# KiCad board 8x8.kicad_pcb
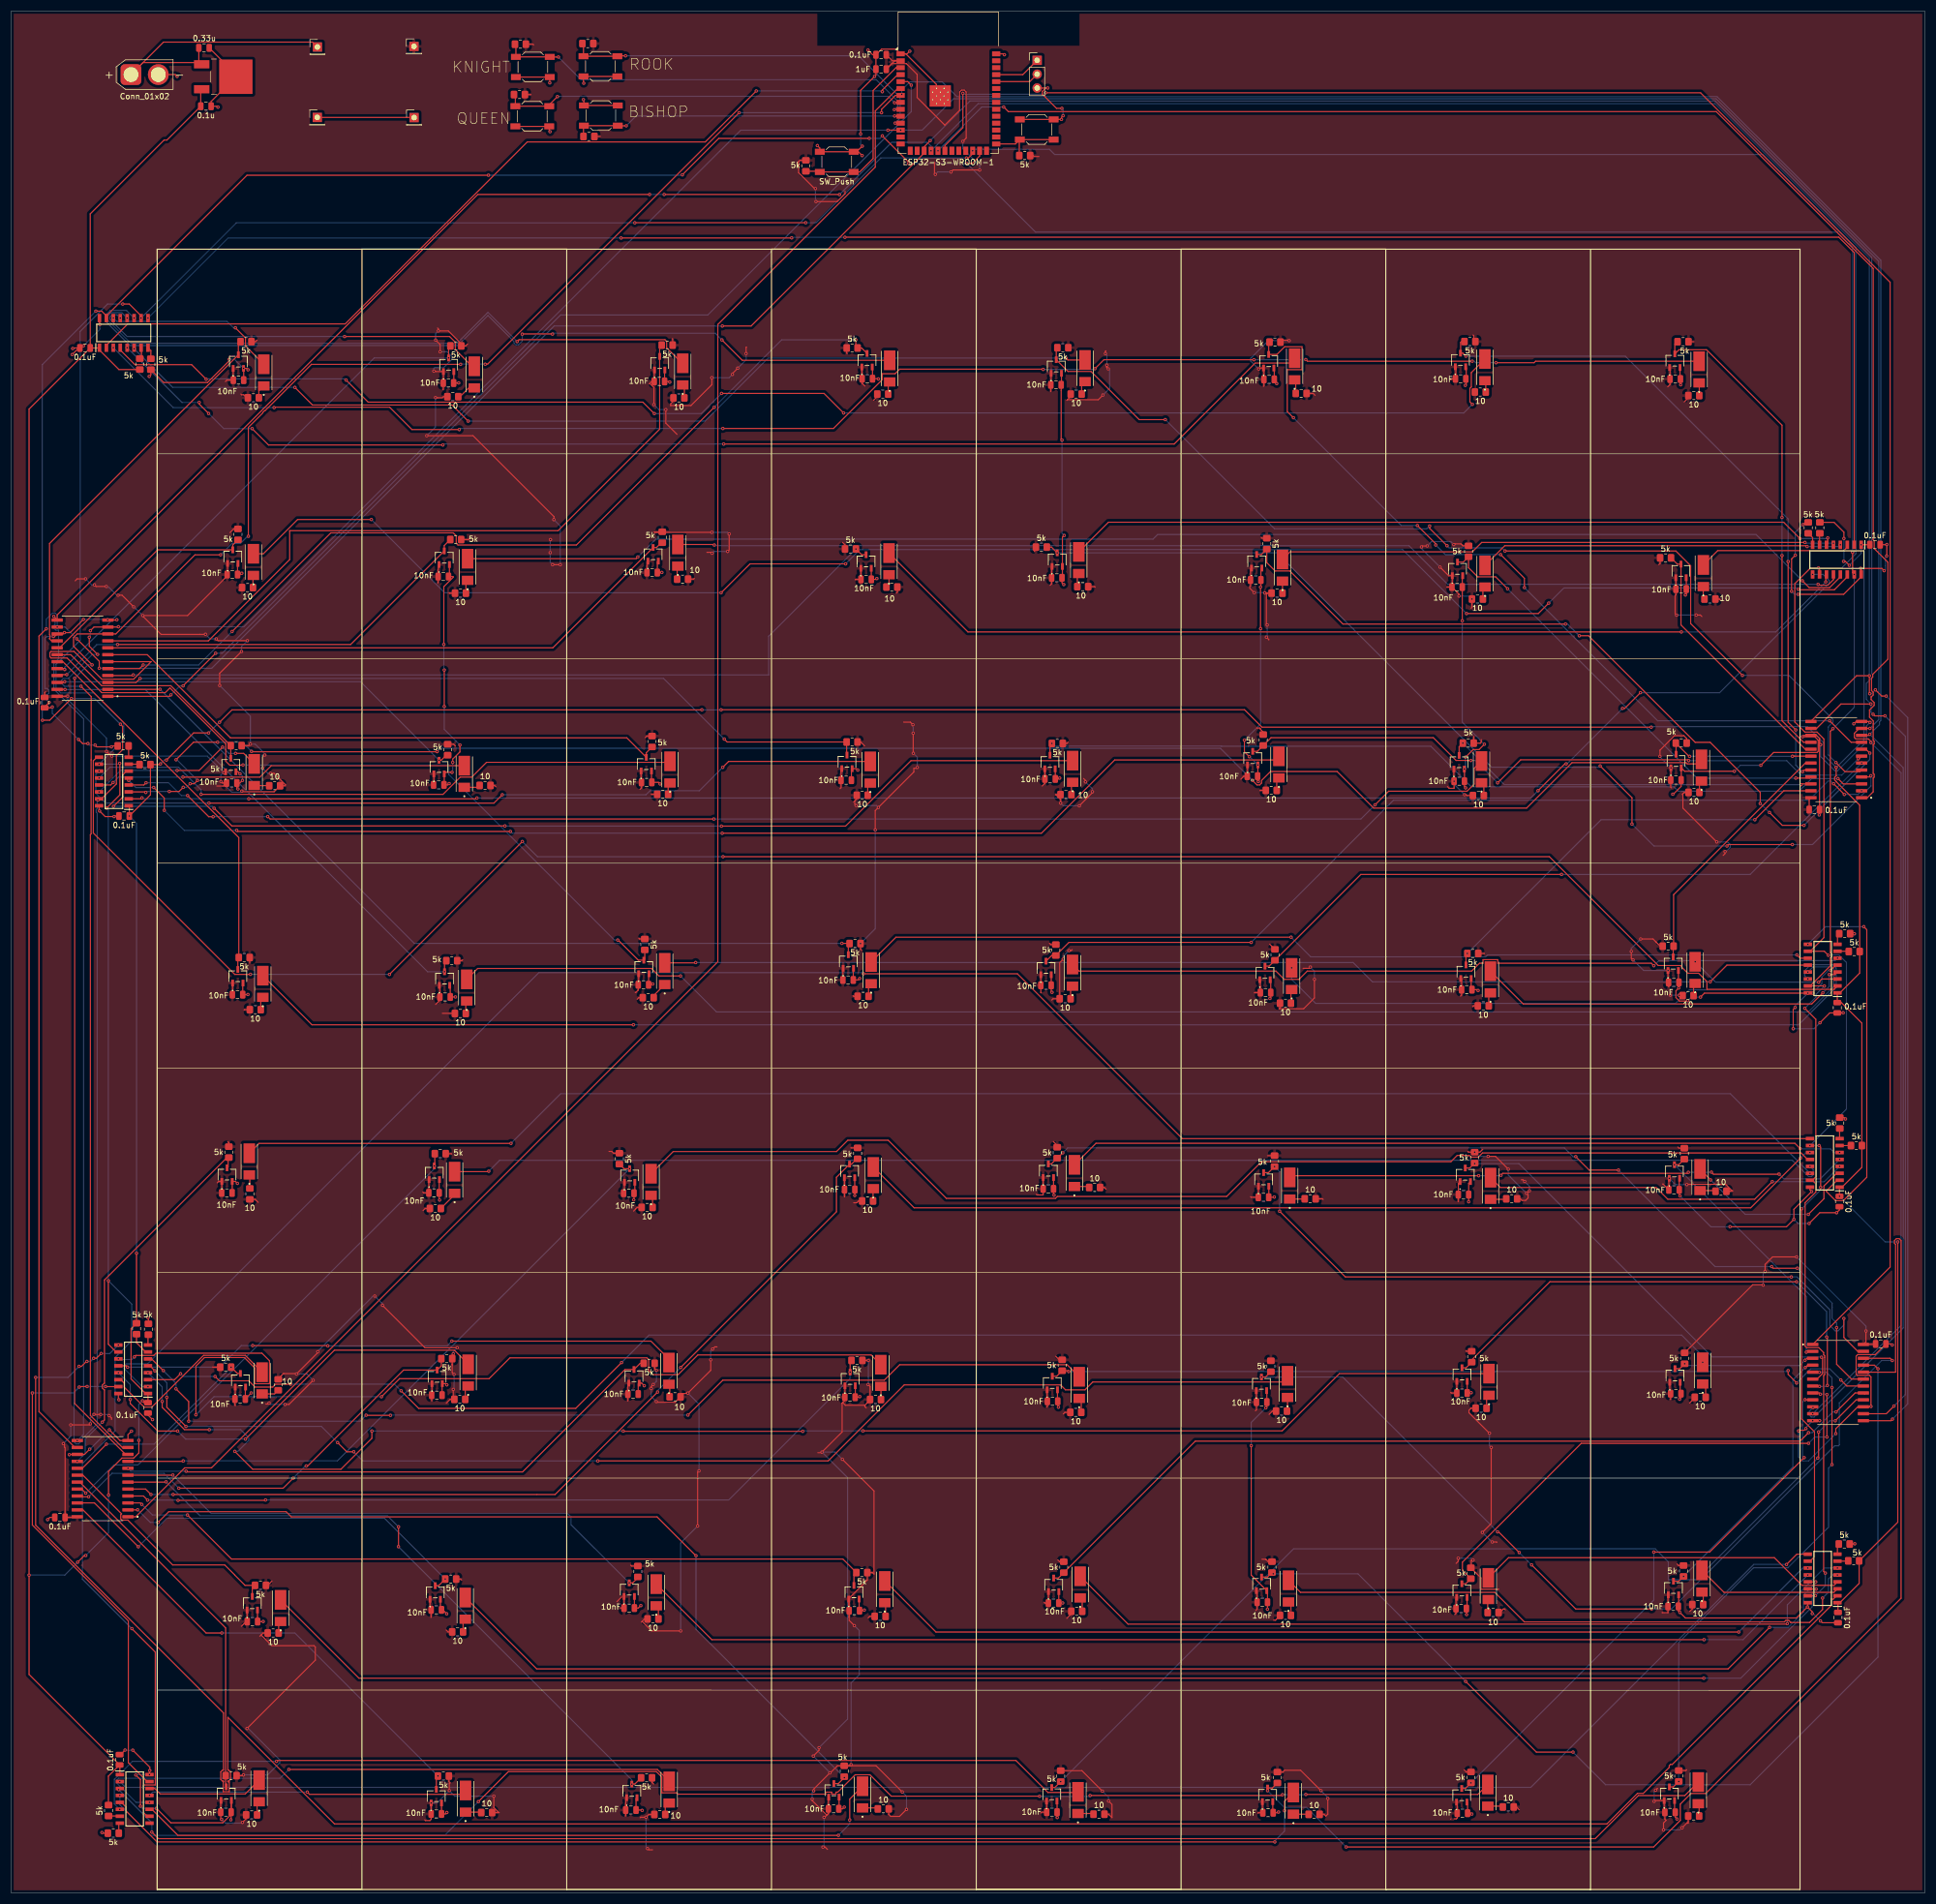
[diagram p0: board, top side]
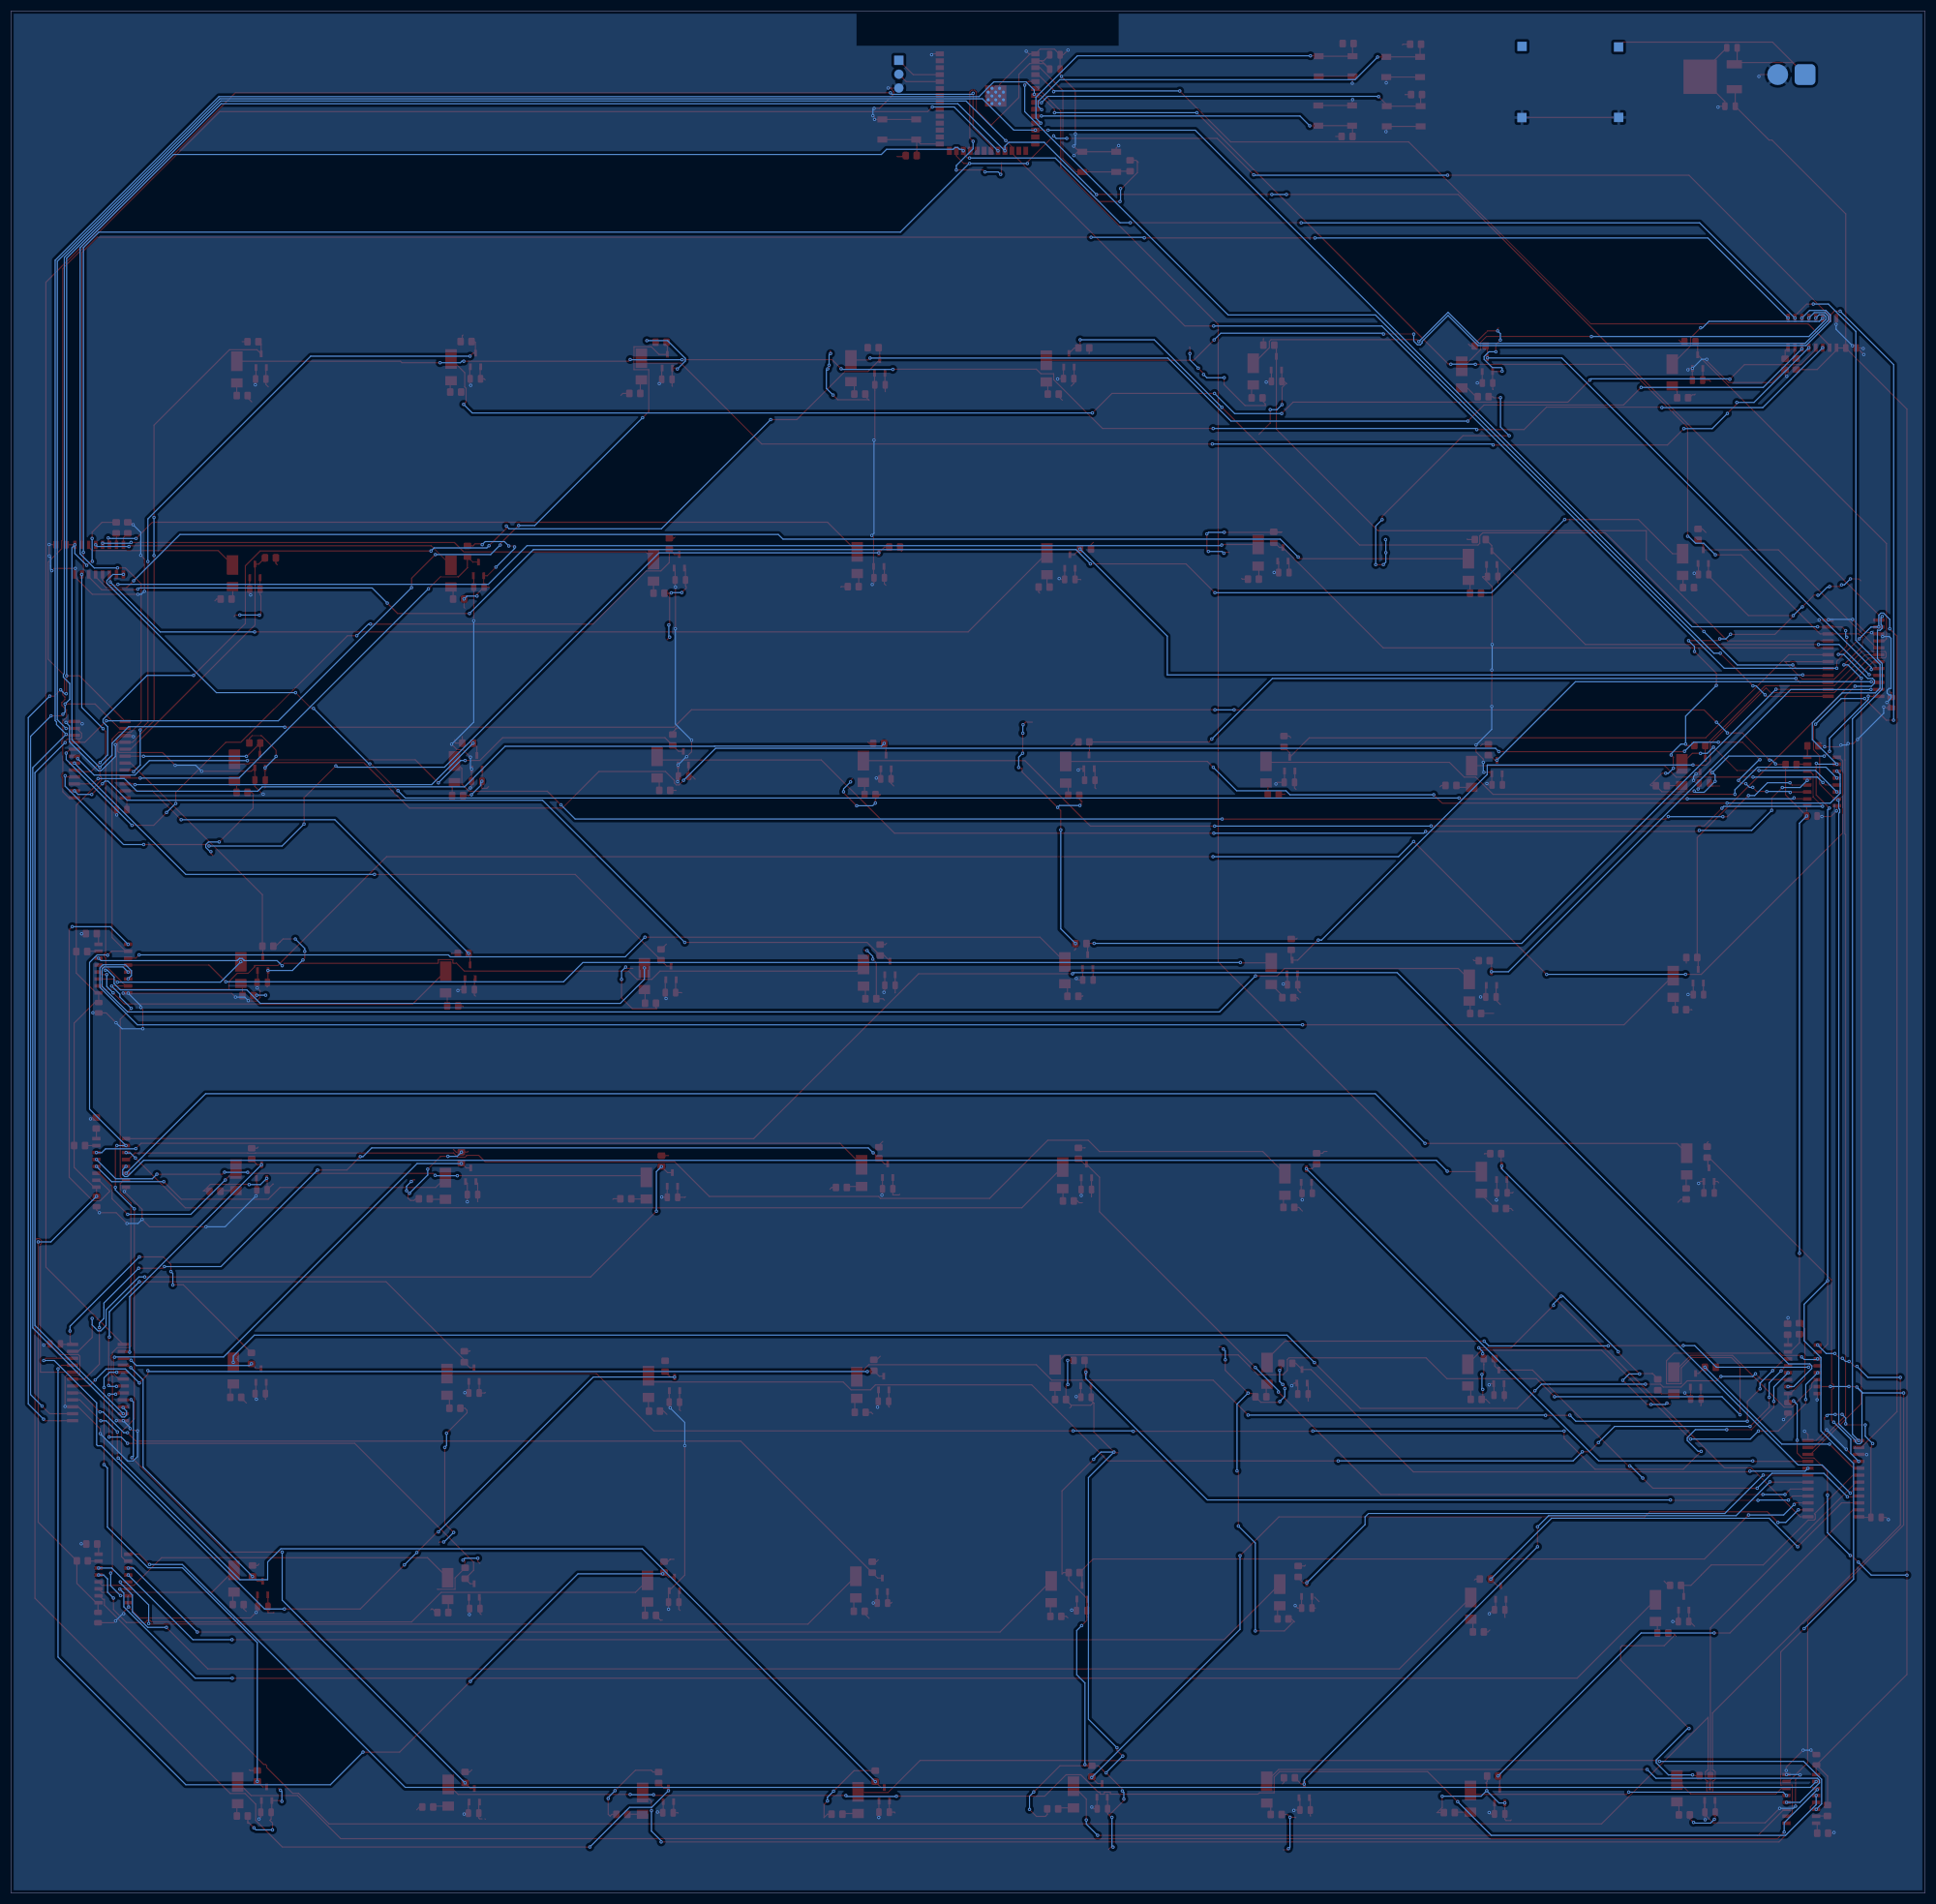
[diagram p1: board, bottom side, seen from below]

Outline 350.52 x 344.82 mm; copper layers: Top, Bottom. Coordinates in mm from the lower left corner of the outline.
Outline path: rectangle 0,344.82 350.52,0

## Placement (name value [footprint] x y rotation side)
C1  0.1uF  [C_0805_2012Metric]  334.45 162.2 90 top
C2  0.1uF  [C_0805_2012Metric]  20.73 197.33 0 top
C3  0.1uF  [C_0805_2012Metric]  13.58 283.08 0 top
C4  0.1uF  [C_0805_2012Metric]  341.36 247.04 180 top
C5  0.1uF  [C_0805_2012Metric]  19.9 24.43 270 top
C6  0.1uF  [C_0805_2012Metric]  334.57 50.48 90 top
C7  0.1uF  [C_0805_2012Metric]  25.1 88.9 90 top
C8  10nF  [C_0805_2012Metric]  266 127.97 180 top
C9  10nF  [C_0805_2012Metric]  190.93 53.13 180 top
C10  10nF  [C_0805_2012Metric]  190.62 14.82 180 top
C11  10nF  [C_0805_2012Metric]  189.98 129.02 180 top
C12  10nF  [C_0805_2012Metric]  190.74 90.1 180 top
C13  10nF  [C_0805_2012Metric]  229.04 89.95 180 top
C14  10nF  [C_0805_2012Metric]  230.2 14.72 180 top
C15  10nF  [C_0805_2012Metric]  229.16 53.3 180 top
C16  0.1uF  [C_0805_2012Metric]  334.85 126.71 90 top
C17  10nF  [C_0805_2012Metric]  265.8 14.64 180 top
C18  10nF  [C_0805_2012Metric]  304.88 91.5 180 top
C19  10nF  [C_0805_2012Metric]  265.73 91.62 180 top
C20  10nF  [C_0805_2012Metric]  265.57 52.12 180 top
C21  10nF  [C_0805_2012Metric]  304.55 128.84 180 top
C22  10nF  [C_0805_2012Metric]  303.83 14.8 180 top
C23  10nF  [C_0805_2012Metric]  304.4 52.52 180 top
C24  10nF  [C_0805_2012Metric]  39.38 14.82 180 top
C25  0.1uF  [C_0805_2012Metric]  6.17 218.1 90 top
C26  10nF  [C_0805_2012Metric]  153.65 90.84 180 top
C27  10nF  [C_0805_2012Metric]  113.22 52.22 180 top
C28  10nF  [C_0805_2012Metric]  153.3 167.29 180 top
C29  10nF  [C_0805_2012Metric]  152.96 203.89 180 top
C30  10nF  [C_0805_2012Metric]  118.75 276.95 180 top
C31  10nF  [C_0805_2012Metric]  113.53 15.22 180 top
C32  10nF  [C_0805_2012Metric]  40.43 203.38 180 top
C33  10nF  [C_0805_2012Metric]  41.5 164.6 180 top
C34  0.1uF  [C_0805_2012Metric]  330.25 198.5 180 top
C35  10nF  [C_0805_2012Metric]  156.61 240.68 180 top
C36  10nF  [C_0805_2012Metric]  150.65 15.45 180 top
C37  10nF  [C_0805_2012Metric]  153.6 128.9 180 top
C38  10nF  [C_0805_2012Metric]  191.38 276.33 180 top
C39  10nF  [C_0805_2012Metric]  230.4 277.33 180 top
C40  10nF  [C_0805_2012Metric]  264.83 239.28 180 top
C41  10nF  [C_0805_2012Metric]  266.6 165.52 180 top
C42  10nF  [C_0805_2012Metric]  156.83 277.45 180 top
C43  10nF  [C_0805_2012Metric]  78 91.23 180 top
C44  10nF  [C_0805_2012Metric]  189.55 166.31 180 top
C45  10nF  [C_0805_2012Metric]  113.15 128.22 180 top
C46  10nF  [C_0805_2012Metric]  305.85 238.9 180 top
C47  10nF  [C_0805_2012Metric]  190.3 204.12 180 top
C48  10nF  [C_0805_2012Metric]  304.77 277.39 180 top
C49  0.1uF  [C_0805_2012Metric]  159.35 336.8 0 top
C50  10nF  [C_0805_2012Metric]  304.5 166.84 180 top
C51  10nF  [C_0805_2012Metric]  227.35 204.62 180 top
C52  0.33u  [C_0805_2012Metric]  35.36 338.06 0 top
C53  10nF  [C_0805_2012Metric]  77.47 128.29 180 top
C54  10nF  [C_0805_2012Metric]  41.97 90.52 180 top
C55  10nF  [C_0805_2012Metric]  229.37 127.47 180 top
C56  10nF  [C_0805_2012Metric]  191.53 240.97 180 top
C57  10nF  [C_0805_2012Metric]  77.9 51.9 180 top
C58  10nF  [C_0805_2012Metric]  304.9 203.92 180 top
C59  10nF  [C_0805_2012Metric]  44.22 49.75 180 top
C60  10nF  [C_0805_2012Metric]  227.95 240.57 180 top
C61  0.1u  [C_0805_2012Metric]  35.71 327.36 0 top
C62  0.1uF  [C_0805_2012Metric]  8.97 68.82 0 top
C63  10nF  [C_0805_2012Metric]  40.55 241.57 180 top
C64  10nF  [C_0805_2012Metric]  79.18 241.2 180 top
C65  10nF  [C_0805_2012Metric]  80.12 276.65 180 top
C66  10nF  [C_0805_2012Metric]  116.42 203.49 180 top
C67  10nF  [C_0805_2012Metric]  78.35 203.03 180 top
C68  10nF  [C_0805_2012Metric]  154.45 51.74 180 top
C69  10nF  [C_0805_2012Metric]  77.9 14.5 180 top
C70  10nF  [C_0805_2012Metric]  39.55 128.28 180 top
C71  10nF  [C_0805_2012Metric]  117.43 241.93 180 top
C72  10nF  [C_0805_2012Metric]  265.48 277.43 180 top
C73  10nF  [C_0805_2012Metric]  265.23 203.7 180 top
C74  10nF  [C_0805_2012Metric]  115.83 166.42 180 top
C75  10nF  [C_0805_2012Metric]  41.68 277.18 180 top
C76  10nF  [C_0805_2012Metric]  113.93 91.43 180 top
C77  10nF  [C_0805_2012Metric]  79.5 164.18 180 top
C78  10nF  [C_0805_2012Metric]  229.75 164.98 180 top
C79  1uF  [C_0805_2012Metric]  159.35 334.15 0 top
C80  0.1uF  [C_0805_2012Metric]  342.41 100.61 180 top
D1  JB5630AWT-P-H40GA0000-NZ000001  [LED_JB5630AWT-P-H40GA0000-NZ000001]  309.92 241.43 90 top
D2  JB5630AWT-P-H40GA0000-NZ000001  [LED_JB5630AWT-P-H40GA0000-NZ000001]  269.95 241.35 90 top
D3  JB5630AWT-P-H40GA0000-NZ000001  [LED_JB5630AWT-P-H40GA0000-NZ000001]  232.85 242.43 90 top
D4  JB5630AWT-P-H40GA0000-NZ000001  [LED_JB5630AWT-P-H40GA0000-NZ000001]  195.55 243.82 90 top
D5  JB5630AWT-P-H40GA0000-NZ000001  [LED_JB5630AWT-P-H40GA0000-NZ000001]  160.8 243.6 90 top
D6  JB5630AWT-P-H40GA0000-NZ000001  [LED_JB5630AWT-P-H40GA0000-NZ000001]  122.12 245.18 90 top
D7  JB5630AWT-P-H40GA0000-NZ000001  [LED_JB5630AWT-P-H40GA0000-NZ000001]  83.62 242.58 90 top
D8  JB5630AWT-P-H40GA0000-NZ000001  [LED_JB5630AWT-P-H40GA0000-NZ000001]  44.4 243.48 90 top
D9  JB5630AWT-P-H40GA0000-NZ000001  [LED_JB5630AWT-P-H40GA0000-NZ000001]  309.15 278.75 90 top
D10  JB5630AWT-P-H40GA0000-NZ000001  [LED_JB5630AWT-P-H40GA0000-NZ000001]  269.92 279.15 90 top
D11  JB5630AWT-P-H40GA0000-NZ000001  [LED_JB5630AWT-P-H40GA0000-NZ000001]  235.08 279.3 90 top
D12  JB5630AWT-P-H40GA0000-NZ000001  [LED_JB5630AWT-P-H40GA0000-NZ000001]  196.7 278.98 90 top
D13  JB5630AWT-P-H40GA0000-NZ000001  [LED_JB5630AWT-P-H40GA0000-NZ000001]  160.92 278.92 90 top
D14  JB5630AWT-P-H40GA0000-NZ000001  [LED_JB5630AWT-P-H40GA0000-NZ000001]  123.03 278.38 90 top
D15  JB5630AWT-P-H40GA0000-NZ000001  [LED_JB5630AWT-P-H40GA0000-NZ000001]  84.85 277.83 90 top
D16  JB5630AWT-P-H40GA0000-NZ000001  [LED_JB5630AWT-P-H40GA0000-NZ000001]  46.3 278.19 90 top
D17  JB5630AWT-P-H40GA0000-NZ000001  [LED_JB5630AWT-P-H40GA0000-NZ000001]  309.58 205.8 90 top
D18  JB5630AWT-P-H40GA0000-NZ000001  [LED_JB5630AWT-P-H40GA0000-NZ000001]  269.3 205.5 90 top
D19  JB5630AWT-P-H40GA0000-NZ000001  [LED_JB5630AWT-P-H40GA0000-NZ000001]  232.2 206.38 90 top
D20  JB5630AWT-P-H40GA0000-NZ000001  [LED_JB5630AWT-P-H40GA0000-NZ000001]  194.42 205.57 90 top
D21  JB5630AWT-P-H40GA0000-NZ000001  [LED_JB5630AWT-P-H40GA0000-NZ000001]  157.38 205.43 90 top
D22  JB5630AWT-P-H40GA0000-NZ000001  [LED_JB5630AWT-P-H40GA0000-NZ000001]  120.7 205.45 90 top
D23  JB5630AWT-P-H40GA0000-NZ000001  [LED_JB5630AWT-P-H40GA0000-NZ000001]  83.03 204.65 90 top
D24  JB5630AWT-P-H40GA0000-NZ000001  [LED_JB5630AWT-P-H40GA0000-NZ000001]  44.55 204.98 90 top
D25  JB5630AWT-P-H40GA0000-NZ000001  [LED_JB5630AWT-P-H40GA0000-NZ000001]  308.42 168.73 90 top
D26  JB5630AWT-P-H40GA0000-NZ000001  [LED_JB5630AWT-P-H40GA0000-NZ000001]  270.92 167 90 top
D27  JB5630AWT-P-H40GA0000-NZ000001  [LED_JB5630AWT-P-H40GA0000-NZ000001]  234.53 167.6 90 top
D28  JB5630AWT-P-H40GA0000-NZ000001  [LED_JB5630AWT-P-H40GA0000-NZ000001]  194.4 168.23 90 top
D29  JB5630AWT-P-H40GA0000-NZ000001  [LED_JB5630AWT-P-H40GA0000-NZ000001]  157.53 168.68 90 top
D30  JB5630AWT-P-H40GA0000-NZ000001  [LED_JB5630AWT-P-H40GA0000-NZ000001]  119.72 168.53 90 top
D31  JB5630AWT-P-H40GA0000-NZ000001  [LED_JB5630AWT-P-H40GA0000-NZ000001]  83.47 165.5 90 top
D32  JB5630AWT-P-H40GA0000-NZ000001  [LED_JB5630AWT-P-H40GA0000-NZ000001]  46.12 166.18 90 top
D33  JB5630AWT-P-H40GA0000-NZ000001  [LED_JB5630AWT-P-H40GA0000-NZ000001]  309.33 130.78 90 top
D34  JB5630AWT-P-H40GA0000-NZ000001  [LED_JB5630AWT-P-H40GA0000-NZ000001]  270.95 129.17 90 top
D35  JB5630AWT-P-H40GA0000-NZ000001  [LED_JB5630AWT-P-H40GA0000-NZ000001]  234.17 129.23 90 top
D36  JB5630AWT-P-H40GA0000-NZ000001  [LED_JB5630AWT-P-H40GA0000-NZ000001]  194.75 131.53 90 top
D37  JB5630AWT-P-H40GA0000-NZ000001  [LED_JB5630AWT-P-H40GA0000-NZ000001]  157.92 131.12 90 top
D38  JB5630AWT-P-H40GA0000-NZ000001  [LED_JB5630AWT-P-H40GA0000-NZ000001]  117.22 129.9 90 top
D39  JB5630AWT-P-H40GA0000-NZ000001  [LED_JB5630AWT-P-H40GA0000-NZ000001]  81.25 130.27 90 top
D40  JB5630AWT-P-H40GA0000-NZ000001  [LED_JB5630AWT-P-H40GA0000-NZ000001]  43.65 133.65 90 top
D41  JB5630AWT-P-H40GA0000-NZ000001  [LED_JB5630AWT-P-H40GA0000-NZ000001]  309.8 95.35 90 top
D42  JB5630AWT-P-H40GA0000-NZ000001  [LED_JB5630AWT-P-H40GA0000-NZ000001]  270.67 93.27 90 top
D43  JB5630AWT-P-H40GA0000-NZ000001  [LED_JB5630AWT-P-H40GA0000-NZ000001]  233.78 92.88 90 top
D44  JB5630AWT-P-H40GA0000-NZ000001  [LED_JB5630AWT-P-H40GA0000-NZ000001]  195.63 92.7 90 top
D45  JB5630AWT-P-H40GA0000-NZ000001  [LED_JB5630AWT-P-H40GA0000-NZ000001]  159.3 94.9 90 top
D46  JB5630AWT-P-H40GA0000-NZ000001  [LED_JB5630AWT-P-H40GA0000-NZ000001]  120.5 95.3 90 top
D47  JB5630AWT-P-H40GA0000-NZ000001  [LED_JB5630AWT-P-H40GA0000-NZ000001]  83.72 94.97 90 top
D48  JB5630AWT-P-H40GA0000-NZ000001  [LED_JB5630AWT-P-H40GA0000-NZ000001]  46 93.53 90 top
D49  JB5630AWT-P-H40GA0000-NZ000001  [LED_JB5630AWT-P-H40GA0000-NZ000001]  309.67 57.23 90 top
D50  JB5630AWT-P-H40GA0000-NZ000001  [LED_JB5630AWT-P-H40GA0000-NZ000001]  270.55 55.85 90 top
D51  JB5630AWT-P-H40GA0000-NZ000001  [LED_JB5630AWT-P-H40GA0000-NZ000001]  233.95 55.4 90 top
D52  JB5630AWT-P-H40GA0000-NZ000001  [LED_JB5630AWT-P-H40GA0000-NZ000001]  195.8 56.15 90 top
D53  JB5630AWT-P-H40GA0000-NZ000001  [LED_JB5630AWT-P-H40GA0000-NZ000001]  160.03 55.28 90 top
D54  JB5630AWT-P-H40GA0000-NZ000001  [LED_JB5630AWT-P-H40GA0000-NZ000001]  118.18 54.7 90 top
D55  JB5630AWT-P-H40GA0000-NZ000001  [LED_JB5630AWT-P-H40GA0000-NZ000001]  83.2 52.25 90 top
D56  JB5630AWT-P-H40GA0000-NZ000001  [LED_JB5630AWT-P-H40GA0000-NZ000001]  49.38 51.82 90 top
D57  JB5630AWT-P-H40GA0000-NZ000001  [LED_JB5630AWT-P-H40GA0000-NZ000001]  309 18.44 90 top
D58  JB5630AWT-P-H40GA0000-NZ000001  [LED_JB5630AWT-P-H40GA0000-NZ000001]  270.45 18 90 top
D59  JB5630AWT-P-H40GA0000-NZ000001  [LED_JB5630AWT-P-H40GA0000-NZ000001]  234.85 16.53 90 top
D60  JB5630AWT-P-H40GA0000-NZ000001  [LED_JB5630AWT-P-H40GA0000-NZ000001]  195.4 16.65 90 top
D61  JB5630AWT-P-H40GA0000-NZ000001  [LED_JB5630AWT-P-H40GA0000-NZ000001]  155.95 17.68 90 top
D62  JB5630AWT-P-H40GA0000-NZ000001  [LED_JB5630AWT-P-H40GA0000-NZ000001]  120.55 18.57 90 top
D63  JB5630AWT-P-H40GA0000-NZ000001  [LED_JB5630AWT-P-H40GA0000-NZ000001]  83.25 16.9 90 top
D64  JB5630AWT-P-H40GA0000-NZ000001  [LED_JB5630AWT-P-H40GA0000-NZ000001]  45.45 18.8 90 top
J1  Conn_01x03  [TSOT-3L_MLX92232LSE-AAA-002-SP_MEL]  117.6 245.27 0 top
J2  Conn_01x03  [TSOT-3L_MLX92232LSE-AAA-002-SP_MEL]  115.9 169.67 0 top
J3  Conn_01x03  [TSOT-3L_MLX92232LSE-AAA-002-SP_MEL]  228.13 244 0 top
J4  Conn_01x03  [TSOT-3L_MLX92232LSE-AAA-002-SP_MEL]  229.65 168.58 0 top
J5  Conn_01x03  [TSOT-3L_MLX92232LSE-AAA-002-SP_MEL]  116.35 206.83 0 top
J6  Conn_01x03  [TSOT-3L_MLX92232LSE-AAA-002-SP_MEL]  227.4 207.93 0 top
J7  Conn_01x03  [TSOT-3L_MLX92232LSE-AAA-002-SP_MEL]  118.8 280.29 0 top
J8  Conn_01x03  [TSOT-3L_MLX92232LSE-AAA-002-SP_MEL]  230.33 280.65 0 top
J9  Conn_01x03  [TSOT-3L_MLX92232LSE-AAA-002-SP_MEL]  153.1 207.25 0 top
J10  Conn_01x03  [TSOT-3L_MLX92232LSE-AAA-002-SP_MEL]  153.35 170.68 0 top
J11  Conn_01x03  [TSOT-3L_MLX92232LSE-AAA-002-SP_MEL]  190.28 207.22 0 top
J12  Conn_01x03  [TSOT-3L_MLX92232LSE-AAA-002-SP_MEL]  189.55 169.49 0 top
J13  Conn_01x03  [TSOT-3L_MLX92232LSE-AAA-002-SP_MEL]  156.6 243.96 0 top
J14  Conn_01x03  [TSOT-3L_MLX92232LSE-AAA-002-SP_MEL]  191.6 244.3 0 top
J15  Conn_01x03  [TSOT-3L_MLX92232LSE-AAA-002-SP_MEL]  156.78 280.83 0 top